# KiCad board RUST_Motherboard.pro.kicad_pcb (continued)
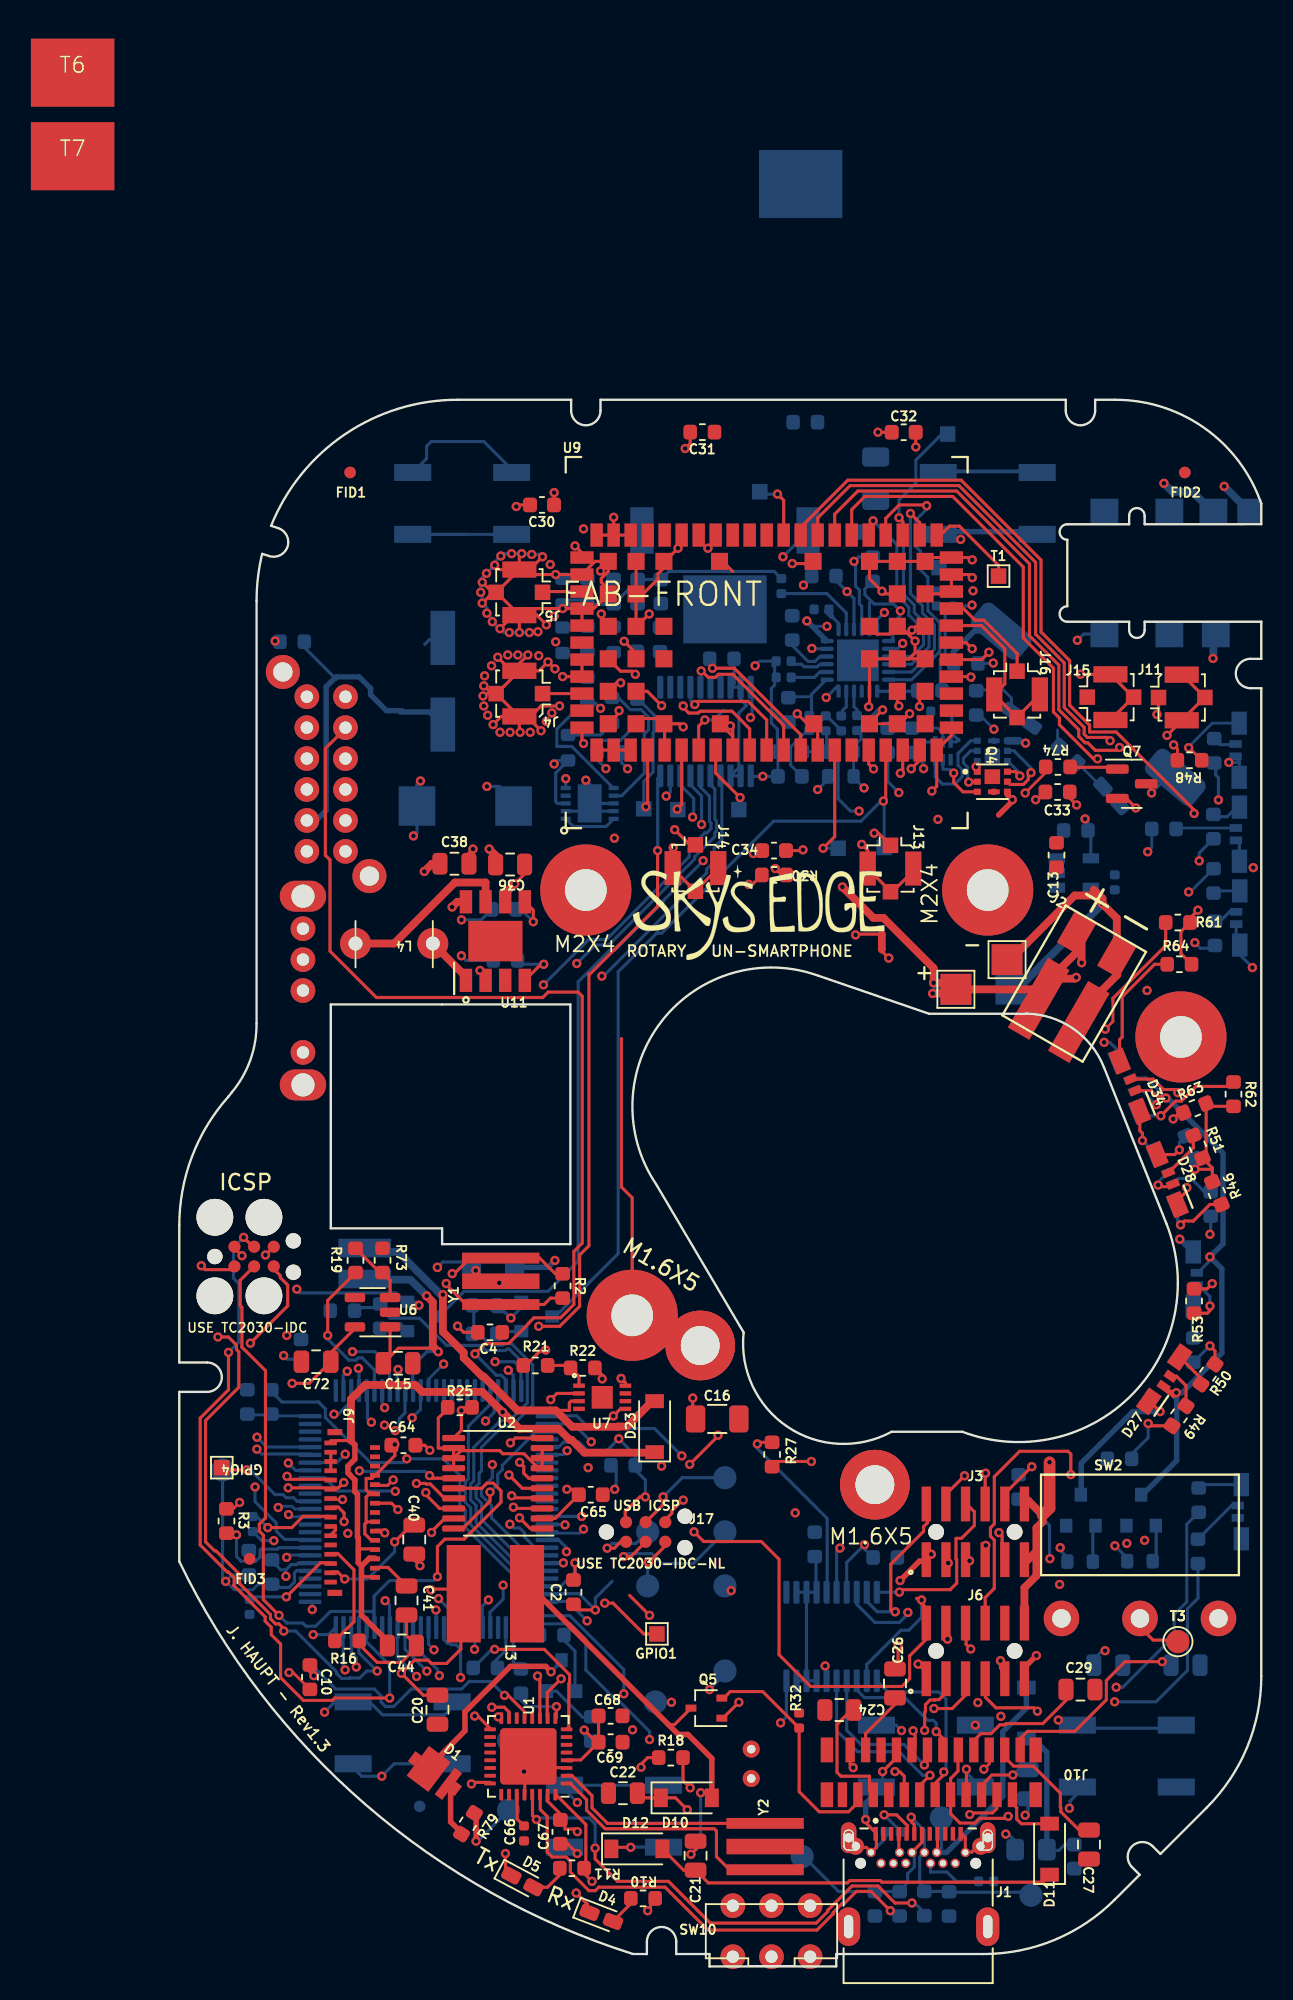
[diagram p0: board, top side]
## Routing (per net, layer and track width the routed paths; a pad name or vN(x,y) marks a point on that pad's centre or on a via; arc(x,y) is an arc through that point) (continued)
  L1_GND+GNDA.Cu w0.2: v1(63.59,19.71) 61.19,19.71 59.98,18.49 59.98,17.24 57.94,15.2 54.87,15.2 54.35,14.67
/EPAPER DRIVER/VGH: length 8
  L1_GND+GNDA.Cu w0.2: 44.9,11.15 44.65,11.4 44.65,12.3 42.8,12.3 42.55,12.55 42.55,15.65 43.55,16.65
/EPAPER DRIVER/VGL: length 4
  L1_GND+GNDA.Cu w0.2: 46.3,17.3 46.3,16.95 44.4,15.05 44.4,14.05
/EPAPER DRIVER/VPP: length 3.4
  L1_GND+GNDA.Cu w0.2: 51.9,11.7 52.58,12.38 v1(53.93,12.38)
  L6_GND.Cu w0.2: 54.9,12.7 54.25,12.7 v1(53.93,12.38)
/EPAPER DRIVER/VSH: length 14
  L1_GND+GNDA.Cu w0.18: J10.20 52.4,13.1 v1(52.05,12.75)
  L5_3v8.Cu w0.18: v1(59.89,20.42) 58.67,20.42 52.05,13.8 v1(52.05,12.75)
  L6_GND.Cu w0.18: v1(59.89,20.42) 59.71,20.42 59.16,19.87
/EPAPER DRIVER/VSL: length 8.2
  L1_GND+GNDA.Cu w0.2: 53.33,13.6 53.98,12.95 55.25,12.95 57,11.2 57,10.3 57.03,10.26 57.03,10 58.21,8.82 C27.1
/EPD_BUSY: length 48.4
  L1_GND+GNDA.Cu w0.18: v1(46.3,12.6) 46.6,12.6
  L1_GND+GNDA.Cu w0.2: 46.9,11.15 46.9,12.3 46.6,12.6
  L3_3v8+GNDA.Cu w0.2: v1(28.76,17.63) 30.5,15.88 30.57,15.95 31.03,15.95 32.58,14.4 34.6,14.4 35.9,13.1 40.09,13.1 41.5,11.7 45.87,11.7 46.55,12.37 46.55,12.6
  L6_GND.Cu w0.2: v1(28.76,17.63) 28.76,19.19 25.27,22.68 23.32,22.68 22.75,23.25 22.75,24.67 18.85,28.56 18.85,29.66 18.5,30.01 18.5,31.33 18.7,31.53 18.7,34.93 20.1,36.33 20.1,37.3
/EPD_CS: length 36.7
  L3_3v8+GNDA.Cu w0.2: v1(20.43,39.1) 22.77,39.1 23.31,38.56 23.39,38.56 24.9,37.05 29.74,37.05 38.66,28.13 42.48,28.13 42.64,27.97 43.63,27.97 v1(44.33,27.27)
  L6_GND.Cu w0.2: R26.2 44.33,26.99 v1(44.33,27.27) 43.17,26.11 U8.17 ; v1(20.43,39.1) 21.67,39.1 22.1,38.67 22.1,37.25
/EPD_DC: length 30.8
  L3_3v8+GNDA.Cu w0.2: v1(21.28,38.55) 21.94,37.89 23.57,37.89 24.75,36.7 29.6,36.7 38.52,27.78 42.34,27.78 42.69,27.43 42.69,27.1 v1(42.74,27.05)
  L6_GND.Cu w0.2: U8.16 42.52,26.84 v1(42.74,27.05) ; v1(21.28,38.55) 21.6,38.23 21.6,37.25
/EPD_RESET: length 35
  L1_GND+GNDA.Cu w0.2: v1(37.4,33.79) 37.5,33.89 R27.2
  L2_3v3+GNDA.Cu w0.2: v1(37.4,33.79) 37.4,34.1 37.92,34.62 37.23,35.32 35.08,35.32 34.59,34.83 24.43,34.83 24.07,34.47 20.61,34.47 v1(19.81,35.27)
  L6_GND.Cu w0.2: 41.92,24.23 41.92,28.96 37.4,33.48 v1(37.4,33.79) ; 20.6,37.4 20.6,36.34 20.37,36.1 20.37,35.82 v1(19.81,35.27)
/GPIO1: length 14.3
  L1_GND+GNDA.Cu w0.2: GPIO1.1 30.05,21.5 28.06,23.49 v1(27.52,23.49)
  L5_3v8.Cu w0.2: v1(27.52,23.49) 27.31,23.7 21.9,23.7 v1(20.95,24.65)
  L6_GND.Cu w0.2: v1(20.95,24.65) 20.95,23.75 20.1,22.9 20.1,21.95
/GPIO4: length 6.4
  L1_GND+GNDA.Cu w0.2: v1(4.36,32.11) 2.89,32.11
  L6_GND.Cu w0.2: v1(4.36,32.11) 4.59,32.11 6.19,30.51 6.71,30.51 6.91,30.3 7.39,30.3 7.62,30.07 U4.39
/LED_1A: length 65.7
  L2_3v3+GNDA.Cu w0.2: v1(60.51,17.11) 59.6,18.02 36.86,18.02 36.33,18.55 27.94,18.55 24.94,15.55 21.85,15.55 21.19,14.89 18.56,14.89 15.35,18.09 v1(15.35,18.75)
  L6_GND.Cu w0.2: v1(15.35,18.75) 14.1,20 14.1,21.95 ; R59.2 65.9,23.81 65.22,23.13 65.22,19.14 63.19,17.11 v1(60.51,17.11)
/LED_1R: length 66.1
  L2_3v3+GNDA.Cu w0.2: v1(16.02,19.09) 15.9,18.98 15.9,18.04 18.7,15.24 21.04,15.24 21.7,15.9 24.8,15.9 27.8,18.9 36.48,18.9 37.01,18.37 60.29,18.37 v1(60.61,18.05)
  L6_GND.Cu w0.2: R60.2 65.18,28.59 65.18,23.58 64.37,22.77 64.37,21.38 61.04,18.05 v1(60.61,18.05) ; 14.6,21.95 14.6,20.51 v1(16.02,19.09)
/LED_2A: length 109.6
  L2_3v3+GNDA.Cu w0.2: v1(67.23,75.42) 68.13,74.52 68.13,64.12 69.05,63.2 69.05,31.38 56.42,18.75 37.56,18.75 37.05,19.26 26.14,19.26 24.93,18.05 21.72,18.05 21.65,18.12 17.5,18.12 v1(16.83,18.8)
  L6_GND.Cu w0.2: 15.1,21.95 15.1,20.8 16.71,19.19 16.71,18.92 v1(16.83,18.8) ; 67.05,77.85 67.05,77.05 67.23,76.88 v1(67.23,75.42)
/LED_2R: length 105.6
  L1_GND+GNDA.Cu w0.18: R48.2 64.57,78.74 v1(64.33,78.98)
  L5_3v8.Cu w0.18: v1(16.48,20.47) 16.42,20.47 16.42,21 20.65,25.22 43.9,25.22 47.67,29 51.73,29 52.58,29.85 61.05,29.85 68.59,37.39 68.59,61.47 64.33,65.74 v1(64.33,78.98)
  L6_GND.Cu w0.18: U4.13 16.12,20.82 v1(16.48,20.47)
/LED_3A: length 96.8
  L5_3v8.Cu w0.18: v1(62.65,72.07) 62.65,66.95 68.26,61.34 68.26,38.31 60.13,30.18 52.44,30.18 51.59,29.33 47.54,29.33 43.76,25.55 20.44,25.55 17.93,23.05 v1(16.6,23.05)
  L6_GND.Cu w0.18: U4.12 16.62,23.03 v1(16.6,23.05) ; v1(62.65,72.07) 62.91,72.34 R55.2
/LED_3R: length 109.1
  L3_3v8+GNDA.Cu w0.2: v1(65.98,71.48) 67.1,70.37 67.1,64.22 67.7,63.62 67.7,38.12 57.97,28.39 56.81,28.39 52.38,23.95 49.29,23.95 48.96,24.29 48.76,24.29 47.52,25.52 44.13,25.52 44.03,25.42 42.73,25.42 42.63,25.52 34.95,25.52 34.44,25.01 30.11,25.01 30.08,25.04 29.93,25.04 29.91,25.06 29.81,25.06 29.73,25.14 27.96,25.14 25.97,27.12 25.52,27.12 23.7,28.94 23.7,32.49 21.54,34.65 15.11,34.65 14.18,35.58 13.33,35.58 13.3,35.55 12.84,35.55 12.52,35.87 12.52,36.16 10.86,37.81 v1(10.86,38.48)
  L6_GND.Cu w0.2: v1(10.86,38.48) 10.6,38.22 10.6,37.25 ; R56.2 65.98,72 v1(65.98,71.48)
/LED_4A: length 98
  L2_3v3+GNDA.Cu w0.2: v1(13.97,30.72) 14.61,30.09 20.3,30.09 21.43,31.23 21.56,31.23 21.73,31.4 33.31,31.4 36.71,28 46.33,28 49.04,30.71 62.99,30.71 67.86,35.58 67.86,51.52 66.6,52.78 66.6,65.3 v1(65.7,66.2)
  L6_GND.Cu w0.2: v1(13.97,30.72) 13.96,30.74 10.26,30.74 9.4,31.6 8.45,31.6 ; v1(65.7,66.2) 66.07,65.83 66.87,65.83
/LED_4R: length 86.3
  L3_3v8+GNDA.Cu w0.18: v1(65.3,69.47) 65.3,67.41 66.76,65.94 66.76,63.86 67.36,63.25 67.36,38.26 57.83,28.72 56.58,28.72 52.48,24.62 48.9,24.62 47.51,26.01 46.49,26.01 46.34,25.86 43.99,25.86 43.89,25.76 42.87,25.76 42.77,25.86 39.46,25.86 39.31,26.01 34.96,26.01 34.42,25.47 28.1,25.47 26.15,27.42 v1(26.15,28.27)
  L6_GND.Cu w0.18: R58.2 65.41,69.47 v1(65.3,69.47) ; U4.91 23.85,28.01 25.89,28.01 v1(26.15,28.27)
/LED_5A: length 39.8
  L2_3v3+GNDA.Cu w0.2: v1(24.95,28.55) 27.99,25.52 58.84,25.52 v1(60.52,27.2)
  L6_GND.Cu w0.2: 61.33,26.4 v1(60.52,27.2) ; v1(24.95,28.55) 24.93,28.57 U4.90
/LED_5R: length 36.2
  L2_3v3+GNDA.Cu w0.2: v1(56.99,27.08) 56,27.08 55.54,26.62 52.03,26.62 51.98,26.67 51.95,26.67 51.37,27.25 47.15,27.25 46,26.1 32.49,26.1 29.5,29.09 v1(26.04,29.09)
  L6_GND.Cu w0.2: v1(56.99,27.08) 56.99,26.91 57.45,26.45 ; 23.75,29.1 26.03,29.1 v1(26.04,29.09)
/LED_BELL: length 1.4
  L6_GND.Cu w0.2: 22.1,21.95 23.05,21.95 23.4,21.6
/LED_FILAMENT: length 84
  L1_GND+GNDA.Cu w0.18: 56.05,77.2 v1(54.73,75.88)
  L2_3v3+GNDA.Cu w0.18: v1(6.4,29.67) 6.4,29 6.72,28.67 7.5,28.67 8.65,29.82 8.65,30.33 8.65,31.8 10.9,34.05 10.9,36.26 16.79,42.15 20.52,42.15 22.15,43.77 25.37,43.77 28.27,46.67 28.27,61.3 35.05,68.07 44.21,68.07 52.29,76.15 54.45,76.15 v1(54.73,75.88)
  L6_GND.Cu w0.18: U4.38 7.47,29.57 7.29,29.75 6.48,29.75 v1(6.4,29.67)
/LED_STAT: length 83.7
  L2_3v3+GNDA.Cu w0.18: 56.82,79.96 55.42,78.56 54.23,78.56 44.12,68.45 34.85,68.45 27.35,60.95 27.35,46.21 25.24,44.1 22.01,44.1 20.39,42.48 16.65,42.48 10.57,36.4 10.57,34.19 8.32,31.95 8.32,30.47 v1(7.07,29.21)
  L6_GND.Cu w0.18: U4.37 7.21,29.07 v1(7.07,29.21) ; 56.91,79.35 56.82,79.44 56.82,79.96
/MCURX-TO-FTDITX: length 2.8
  L6_GND.Cu w0.2: 21.6,21.9 21.6,19.7 22.05,19.25
/MCUTX-TO-FTDIRX: length 2.7
  L6_GND.Cu w0.2: 20.29,19.6 21.12,20.44 U4.3
/MISO: length 97.3
  L1_GND+GNDA.Cu w0.2: v1(51.12,26.23) 51.12,26.23 50.96,26.06 ; J7.1 3.36,45.05 1.67,45.05 v1(1.42,45.31) ; 2.3,26.85 1.7,27.45 1.7,35.3 3.85,37.45 3.85,39.74 3.7,39.89 3.7,40.18 3.18,40.7 v1(2.5,40.7) ; 2.35,26.9 3.9,25.35 3.9,24.75 5.9,22.75 5.9,22.47 6.22,22.15 6.45,22.15 6.76,21.84 v1(6.76,21.69)
  L2_3v3+GNDA.Cu w0.2: 34.1,18.2 28.2,18.2 25.2,15.2 21.99,15.2 21.33,14.54 17.79,14.54 13.22,19.1 v1(12.8,19.1) ; 34.1,18.2 34.1,18.1 v1(34.3,17.9) ; 34.1,18.2 34.63,17.67 51.05,17.67 v1(51.66,17.06) ; v1(2.5,40.7) 3.9,42.1 3.9,44 2.85,45.05 1.67,45.05 v1(1.42,45.31)
  L5_3v8.Cu w0.2: v1(51.12,26.23) 51.75,25.6 51.75,17.15
  L6_GND.Cu w0.2: U4.22 11.62,20.28 v1(12.8,19.1) 12.13,19.1 11.68,18.65 11.05,18.65 11.05,18.65 11.03,18.65 11.02,18.64 11.01,18.64 11,18.63 10.98,18.63 10.98,18.63 10.96,18.63 10.95,18.62 10.5,18.62 10.18,18.94 10.18,19.04 7.53,21.69 v1(6.76,21.69) ; 35.3,18.9 v1(34.3,17.9)
/MOSI: length 124.8
  L1_GND+GNDA.Cu w0.2: 49.59,30.52 v1(50.8,31.72) ; 4.77,46.53 v1(4.16,47.14) ; v1(3.18,39.7) 3.18,37.28 1.35,35.45 1.35,27.25 3.1,25.5 3.18,25.5 3.55,25.13 3.55,24.67 3.52,24.64 5.55,22.6 5.55,22.33 5.95,21.93 5.95,21.45 6.55,20.85 6.55,18.67 8.03,17.2 9.9,17.2 10.06,17.36 v1(13.61,17.36) ; U2.15 16.36,31.56 v1(16.19,31.74)
  L2_3v3+GNDA.Cu w0.2: v1(31.84,17.08) 31.58,16.82 31.58,16.82 30.71,15.95 28.76,15.95 26.96,14.15 22.43,14.15 21.76,13.48 17.48,13.48 v1(13.61,17.36) 12,18.96 12,30.13 11.7,30.43 11.7,32 v1(11.65,32.05)
  L3_3v8+GNDA.Cu w0.2: v1(47.13,22.89) 41.87,17.63 35.97,17.63 35.65,17.31 35.65,17.29 35.44,17.08 v1(31.84,17.08)
  L4_GND.Cu w0.18: v1(50.8,31.72) 50.8,29.95 49.8,28.95 49.8,26.9 47.13,24.23 v1(47.13,22.89)
  L6_GND.Cu w0.2: v1(13.61,17.36) 13.61,19.49 12.1,21 12.1,21.95 ; U8.18 43.83,23.41 45,22.24 46.58,22.24 47.13,22.79 v1(47.13,22.89) ; 30.82,17.08 v1(31.84,17.08) ; v1(16.19,31.74) 15.92,32.01 11.69,32.01 v1(11.65,32.05) ; v1(3.18,39.7) 3.85,40.37 3.85,44.15 3.5,44.5 3.5,46.48 v1(4.16,47.14)
/NET_STAT: length 50.9
  L1_GND+GNDA.Cu w0.2: v1(36.84,69.96) 37.08,69.96 R30.2
  L4_GND.Cu w0.2: v1(25.05,26.82) 25.51,27.28 25.51,28.84 25.49,28.87 25.49,29.87 25.75,30.13 25.75,44.09 27.4,45.74 27.4,59.11 27.45,59.16 27.45,59.66 36.84,69.05 v1(36.84,69.96)
  L6_GND.Cu w0.2: v1(25.05,26.82) 25.05,27.07 24.5,27.62 23.83,27.62
/OFFSIGNAL: length 64.2
  L1_GND+GNDA.Cu w0.2: v1(19.13,39.61) 19.8,40.27 21.3,40.27 22.62,41.6 22.62,41.62 22.94,41.94 24.66,41.94 25.52,42.8 25.52,46.22 26.07,46.77 26.07,62.73 25.8,63 23.86,63 23.51,62.65 12.75,62.65 9.75,65.65 9.75,71.55 9.45,71.85 9.45,78.75 10.8,80.1
  L6_GND.Cu w0.2: v1(19.13,39.61) 20.51,38.22 20.83,38.22 21.1,37.95 21.1,37.25
/OLED DRIVER/OLED_CS_3V3: length 15
  L1_GND+GNDA.Cu w0.2: v1(10.66,28.76) 10.66,29.32 10.28,29.7 9.8,29.7 ; v1(22.01,29.01) 22.7,28.31 U2.1
  L3_3v8+GNDA.Cu w0.2: v1(22.01,29.01) 21.99,29.02 21.73,29.02 21.61,29.14 21.16,29.14 20.67,28.65 10.77,28.65 v1(10.66,28.76)
/OLED DRIVER/OLED_DC_3V3: length 14.4
  L1_GND+GNDA.Cu w0.18: 9.91,30.19 v1(10.56,30.19)
  L1_GND+GNDA.Cu w0.2: 23.44,30.3 21.64,30.3 v1(21.5,30.43)
  L3_3v8+GNDA.Cu w0.18: v1(10.56,30.19) 10.61,30.14 14.41,30.14 15.21,29.34 20.38,29.34 20.87,29.83 20.9,29.83 v1(21.5,30.43)
/OLED DRIVER/OLED_IREF: length 7
  L1_GND+GNDA.Cu w0.2: R16.1 11.3,22.29 11.3,25.65 10.25,26.7 9.8,26.7
/OLED DRIVER/OLED_MOSI_3V3: length 21.7
  L1_GND+GNDA.Cu w0.2: v1(6.97,31.69) 7.16,31.5 9.8,31.5 ; U2.6 22.61,31.56 22.29,31.89 22.29,32.33 v1(22.02,32.59)
  L3_3v8+GNDA.Cu w0.2: v1(6.97,31.69) 10.03,31.69 10.95,32.61 13.43,32.61 13.78,32.26 15.93,32.26 17.02,33.35 20.73,33.35 21.05,33.03 21.05,32.78 21.4,32.43 21.86,32.43 v1(22.02,32.59)
/OLED DRIVER/OLED_RES_3V3: length 11.5
  L1_GND+GNDA.Cu w0.2: U2.3 21.69,29.61 v1(21.61,29.69) ; J9.18 13.73,29.95 v1(14.14,29.54)
  L3_3v8+GNDA.Cu w0.2: v1(14.14,29.54) 14.53,29.54 15.07,29 20.52,29 21.01,29.49 21.12,29.49 21.32,29.69 v1(21.61,29.69)
/OLED DRIVER/OLED_SCL_3V3: length 13.3
  L1_GND+GNDA.Cu w0.2: U2.5 22.19,30.91 v1(21.33,31.78) ; 12.8,31.1 13.48,31.1 v1(13.84,31.46)
  L3_3v8+GNDA.Cu w0.2: v1(21.33,31.78) 21.33,31.12 20.33,30.12 19.93,30.12 19.49,29.68 15.98,29.68 13.97,31.7 13.76,31.7
/OLED DRIVER/OLED_VCOMH: length 2.5
  L1_GND+GNDA.Cu w0.2: 12.67,25.8 13.5,25.8 C41.1
/OLED DRIVER/OLED_VLOGIC: length 6
  L1_GND+GNDA.Cu w0.2: 9.8,26.1 9.13,26.1 v1(6.92,23.9)
  L6_GND.Cu w0.2: 4.71,23.9 v1(6.92,23.9)
/OLED DRIVER/OLED_VP: length 7.2
  L1_GND+GNDA.Cu w0.2: 9.8,25.5 10.25,25.5 v1(10.7,25.05) ; 15.02,28.54 v1(13.93,27.45)
  L6_GND.Cu w0.2: v1(10.7,25.05) 12.17,25.05 13.93,26.81 v1(13.93,27.45)
/OLED_CS: length 8.9
  L1_GND+GNDA.Cu w0.2: v1(20.1,30.67) 20.1,30.09 18.33,28.31
  L6_GND.Cu w0.2: U4.78 23.08,34.57 20.9,32.4 20.9,32.12 20.6,31.82 20.6,31.17 v1(20.1,30.67)
/OLED_DC: length 12.7
  L1_GND+GNDA.Cu w0.2: 17.17,30.27 16.24,31.19 15.96,31.19 15.92,31.23 v1(15.34,31.23)
  L5_3v8.Cu w0.2: v1(15.34,31.23) 15.34,31.32 11.59,35.07 v1(11.59,38.67)
  L6_GND.Cu w0.2: v1(11.59,38.67) 11.62,38.64 U4.54
/OLED_RES: length 12.7
  L1_GND+GNDA.Cu w0.2: U2.18 16.83,29.61 15.95,30.5 v1(15.95,30.64)
  L5_3v8.Cu w0.2: v1(10.01,35.71) 10.46,35.71 14.79,31.38 14.79,31 15.15,30.64 v1(15.95,30.64)
  L6_GND.Cu w0.2: 11.1,37.2 11.1,36.52 10.28,35.71 v1(10.01,35.71)
/POWSW4: length 84.8
  L1_GND+GNDA.Cu w0.2: v1(53.02,28.05) 53.23,27.84 53.23,26.47
  L3_3v8+GNDA.Cu w0.5: SW9.4 9.55,74.8 9.55,70.67 12.45,67.77 17.05,67.77 18.85,65.97 23.6,65.97 26.87,62.7 26.87,50.85 28.05,49.67 28.05,46.17 25.62,43.75 25.62,42.07 39.07,28.63 42.69,28.63 42.85,28.47 46.43,28.47 47.89,29.93 49.8,29.93 51.68,28.05 v1(53.02,28.05)
/RELAY_OFF: length 49.9
  L2_3v3+GNDA.Cu w0.2: v1(12.43,35.19) 12.3,35.32 12.2,35.32 12.2,30.42 13.84,28.78 19.34,28.78 24,24.11 29.76,24.11 29.83,24.05 34.25,24.05 35.3,25.1 43.76,25.1 45.76,23.1 45.76,22.53 46.81,21.48 49.39,21.48 v1(49.7,21.16)
  L6_GND.Cu w0.2: v1(12.43,35.19) 12.17,35.45 12.17,37.18 12.1,37.25
/RESET: length 49.1
  L1_GND+GNDA.Cu w0.18: C10.2 7.36,19 v1(7.1,19)
  L1_GND+GNDA.Cu w0.2: 6.11,45.09 6.53,44.67 6.53,44.53 7.01,44.06 7.01,42.71 v1(4.6,40.3)
  L2_3v3+GNDA.Cu w0.2: v1(3,24.9) 4.9,24.9 6.3,23.5 5.9,23.1 5.9,20.1 7,19 v1(7.1,19)
  L3_3v8+GNDA.Cu w0.2: v1(3,24.9) 2.7,25.2 2.7,29.43 3.2,29.93 3.2,38.9 v1(4.6,40.3)
  L6_GND.Cu w0.18: C1.1 3.41,25.31 v1(3,24.9) 3.55,24.35 4.75,24.35 5.11,24.71 R1.1
  L6_GND.Cu w0.2: v1(3,24.9) 2.8,25.1 RES1.1 ; 6,25 6.5,24.5 7.1,24.5 7.45,24.85 7.45,25.45 7.6,25.6 8.4,25.6
/RINGER+: length 58
  L1_GND+GNDA.Cu w0.2: U11.4 23.39,64.8 v1(23.57,64.8)
  L5_3v8.Cu w0.2: 23.5,64.73 22.22,63.45 10.33,63.45 8.58,61.7 8.15,61.7 6.15,59.7 6.15,51.85 9,49 9,38.31 9.2,38.1 9.2,35.15 10.68,33.67 10.96,33.67 11.29,33.35 11.29,32.89 10.94,32.55 v1(7.05,32.55)
  L6_GND.Cu w0.2: R23.1 22.14,64.8 v1(23.57,64.8) ; v1(7.05,32.55) 7.52,32.07 U4.43
/RINGER-: length 67.3
  L1_GND+GNDA.Cu w0.2: U11.5 22.9,68.29 v1(22.9,67.55)
  L5_3v8.Cu w0.2: v1(10.74,33.12) 8.85,35 8.85,37.96 7.4,36.51 7.4,32.98 7.28,33.1 6.82,33.1 6.7,32.98 6.7,36.8 7.06,37.16 7.07,37.15 7.53,37.15 7.85,37.47 7.85,37.93 7.84,37.94 8.15,38.25 8.15,44.53 8.18,44.55 8.18,45.21 8.15,45.24 8.15,46.56 8.18,46.59 8.18,47.25 8.15,47.27 8.15,49.35 5.8,51.71 5.8,59.84 8.01,62.05 8.43,62.05 9.05,62.67 9.05,63.09 10.11,64.15 18.92,64.15 19.22,63.85 19.68,63.85 22.9,67.07 v1(22.9,67.55)
  L6_GND.Cu w0.2: v1(22.9,67.55) 22.1,68.35 R24.1 ; U4.44 10.19,32.57 v1(10.74,33.12)
/SCK: length 91.9
  L1_GND+GNDA.Cu w0.2: v1(6.45,22.7) 5.44,23.71 5.44,27.89 5.18,28.15 5.18,28.6 5.58,29 5.58,38.52 4.2,39.9 ; v1(16.7,25.2) 16.7,27.15 17.18,27.63 18.43,27.63 20.81,30.01 20.81,30.75 20.31,31.25 19.9,31.25 19.56,30.91 U2.16 ; 4.2,39.89 4.05,40.04 4.05,42.61 3.94,42.72 3.94,44.36 J7.3 ; 50.8,30.03 51.44,29.39 51.44,28.51 50.61,27.68 50.27,27.68 50.24,27.66 50.24,26.36 50.29,26.31 50.29,24.78 49.88,24.36 46.74,24.36 v1(46.58,24.2)
  L3_3v8+GNDA.Cu w0.2: 35.62,24.92 35.62,24.38 v1(35.7,24.3) ; 35.62,24.92 44.03,24.92 44.75,24.2 v1(46.58,24.2) ; 35.62,24.92 34.85,24.92 34.59,24.66 29.96,24.66 29.94,24.69 29.79,24.69 29.76,24.71 29.66,24.71 29.59,24.79 27.81,24.79 27.73,24.87 25.36,24.87 25.31,24.92 25.31,24.92 25.3,24.92 21.88,24.92 21.6,25.2 v1(16.7,25.2)
  L6_GND.Cu w0.2: v1(6.45,22.7) 6.95,22.2 7.99,22.2 8.19,22 8.82,22 9.77,22.95 12.45,22.95 12.6,22.8 ; v1(16.7,25.2) 16.45,24.95 13.6,24.95 12.6,23.95 12.6,22.8 ; 12.6,22.8 12.6,22.1 ; 45.12,24.19 46.57,24.19 v1(46.58,24.2)
/SD_CD: length 32.5
  L3_3v8+GNDA.Cu w0.2: v1(52.18,27.22) 47.22,27.22 46.2,26.2 39.6,26.2 34.21,31.6 30.24,31.6 28.57,33.27 27.3,33.27 v1(26.65,33.92)
  L6_GND.Cu w0.2: U4.77 25.5,35.07 v1(26.65,33.92)
/SD_CS: length 36.3
  L1_GND+GNDA.Cu w0.2: v1(52.16,31.89) 52.14,31.86 52.14,29.9
  L4_GND.Cu w0.18: 49.62,31.85 49.62,32.25 49.95,32.57
  L4_GND.Cu w0.2: 49.62,31.85 49.65,31.83 49.65,31.05 46.74,28.15 43.18,28.15 38.32,33.01 32.51,33.01 v1(32.51,33.01) ; v1(52.16,31.89) 51.48,32.57 49.95,32.57
  L6_GND.Cu w0.2: v1(32.51,33.01) 30.74,34.78 26.53,34.78 25.71,35.6 23.8,35.6
/SIM_CLK: length 99.9
  L1_GND+GNDA.Cu w0.2: U9.38 43.5,94.2 44.35,95.05 50.04,95.05 54.6,90.49 54.6,85.9 56.55,83.95 56.55,81.12 56.94,80.73 56.94,80.29 59.14,78.08 v1(59.41,78.08) ; 52.14,22.44 52.14,23.85 52.73,24.44 52.73,27.57 52.48,27.82 52.48,28.35 52.73,28.6 52.73,31.67 54.37,33.31 57.49,33.31 57.67,33.12 v1(57.67,31.8)
  L2_3v3+GNDA.Cu w0.2: v1(59.41,78.08) 60.15,77.34 60.15,74.74 61.8,73.09 61.8,54.91 65.16,51.55 65.16,51.32 67.37,49.11 67.37,41.73 57.67,32.03 v1(57.67,31.8)
/SIM_IO: length 105.1
  L1_GND+GNDA.Cu w0.2: U9.39 42.4,93.9 43.9,95.4 50.29,95.4 55,90.69 55,86.04 56.9,84.14 56.9,81.26 58.19,79.97 58.19,79.53 58.6,79.12 58.77,79.12 59.26,78.64 60.65,78.64 v1(60.83,78.82) ; 53.4,19.01 53.13,19.29 v1(53.13,19.77)
  L2_3v3+GNDA.Cu w0.2: v1(61.3,27.35) 68.21,34.26 68.21,51.87 67.06,53.01 67.06,59.04 67.42,59.4 67.42,67.97 65.85,69.53 65.85,69.7 62.93,72.62 62.76,72.62 60.83,74.55 v1(60.83,78.82)
  L3_3v8+GNDA.Cu w0.2: v1(61.3,27.35) 61.28,27.33 61.28,24.1 60.4,23.22 60.4,22.2 57.25,19.05 53.84,19.05 v1(53.13,19.77)
/SIM_RST: length 110
  L1_GND+GNDA.Cu w0.2: v1(55.52,16.5) 55.3,16.72 52.83,16.72 52.15,17.4 52.15,18.3 ; v1(60.22,79.26) 60,79.47 58.75,79.47 58.54,79.68 58.54,80.12 57.25,81.41 57.25,84.29 55.4,86.14 55.4,90.79 50.44,95.75 43.39,95.75 41.3,93.66 U9.40
  L2_3v3+GNDA.Cu w0.2: v1(60.22,79.26) 60.33,79.37 61.06,79.37 61.38,79.05 61.38,75.12 61.21,74.95 61.21,74.67 61.51,74.37 61.76,74.37 62.5,73.64 62.5,73.38 62.9,72.97 63.07,72.97 66.2,69.85 66.2,69.68 67.77,68.11 67.77,59.25 67.46,58.94 67.46,53.24 68.56,52.14 68.56,33.48 62.62,27.55 v1(62.45,27.55)
  L3_3v8+GNDA.Cu w0.2: v1(62.45,27.55) 62.45,24.78 60.75,23.08 60.75,22.05 55.52,16.82 v1(55.52,16.5)
/SW_Alpha: length 60.5
  L2_3v3+GNDA.Cu w0.2: v1(56.87,15.93) 56.49,15.55 52.93,15.55 52.35,16.13 51.75,16.13 51.73,16.15 51.27,16.15 51.25,16.13 48.59,16.13 48.27,16.45 48.27,16.47 47.18,16.47 46.86,16.15 46.82,16.15 44.79,14.12 41.51,14.12 40.58,13.19 32,13.19 31.58,13.61 22.39,13.61 21.91,13.13 17.02,13.13 12.21,17.94 12.1,17.94 11.81,18.23 11.81,18.66 11.65,18.82 11.65,19.16 v1(11.45,19.36)
  L6_GND.Cu w0.2: U4.23 11.12,20.28 11.45,19.95 v1(11.45,19.36) ; v1(56.87,15.93) 57.2,15.6 ; 64.5,15.4 57.9,15.4
/SW_Beta: length 55
  L2_3v3+GNDA.Cu w0.2: v1(8.66,21.45) 8.66,20.39 19,10.05 29.67,10.05 29.69,10.03 30.77,10.03 30.77,10.05 32.82,12.1 33.64,12.1 34.59,11.15 39.04,11.15 41.64,13.75 44.91,13.75 46.42,15.25 v1(46.72,15.25) 46.72,15.28 47.25,15.81 48.42,15.81 48.45,15.78 49.06,15.78 49.09,15.75 50.38,15.75 50.69,15.44 51.34,15.44 v1(51.5,15.6)
  L6_GND.Cu w0.2: v1(46.72,15.25) 46.37,15.6 SW6.1 ; v1(8.66,21.45) 9.65,21.45 10.1,21.9
/SW_CLEAR: length 78.1
  L5_3v8.Cu w0.18: v1(17.1,38.95) 17.55,38.5 18.9,38.5 25.5,45.09 25.5,59.25 32.71,66.46 32.71,74.04 32.66,74.09 32.66,74.54 32.8,74.67 32.8,75.5 49.57,92.27 v1(50.55,92.27)
  L6_GND.Cu w0.18: v1(17.1,38.95) 16.12,37.97 U4.63 ; 50.08,92.6 50.4,92.27 v1(50.55,92.27)
  L6_GND.Cu w0.35: 49.24,92.77 55.13,92.77
/SW_Fn: length 16
  L3_3v8+GNDA.Cu w0.2: v1(8.6,23.07) 9.4,22.28 v1(9.4,16.44)
  L6_GND.Cu w0.2: SW8.1 10.06,17.1 v1(9.4,16.44) ; 12.31,17.1 13.14,16.27 17.17,16.27 18,17.1 ; 8.5,23.6 8.6,23.5 v1(8.6,23.07)
/SW_HALL: length 68
  L1_GND+GNDA.Cu w0.2: 28.6,60 28.6,50.4 29.3,49.7 MH3.1
  L4_GND.Cu w0.18: MH3.1 29.3,30.6 28.05,29.35 27.3,29.35 26.85,28.9 26.85,26.22 21.87,21.25 19.85,21.25 v1(19.1,20.5)
  L4_GND.Cu w0.2: v1(62.61,63.11) 53.59,63.11 52.3,64.4 46.5,64.4 46.2,64.1
  L5_3v8.Cu w0.2: MH8.1 62.61,62.29 v1(62.61,63.11)
  L6_GND.Cu w0.18: U4.7 19.12,20.53 v1(19.1,20.5)
/SW_HOOK: length 10.5
  L6_GND.Cu w0.18: SW7.1 18.5,92.6
  L6_GND.Cu w0.2: 14.6,92.6 21.7,92.6
/SW_Lambda: length 29.6
  L2_3v3+GNDA.Cu w0.2: v1(25.75,10.6) 18.94,10.6 10.73,18.82 v1(10.73,19.17)
  L6_GND.Cu w0.2: v1(10.73,19.17) 10.6,19.3 10.6,21.95 ; 24.73,11.71 31.61,11.71 ; 24.95,11.4 v1(25.75,10.6)
/SW_MODE1: length 35
  L4_GND.Cu w0.2: v1(11.2,39.75) 11.2,40.1 8.4,42.9 8.4,48.99 5.65,51.73 5.65,64.75 SW1.4
  L6_GND.Cu w0.2: v1(11.2,39.75) 12.65,39.75 13.6,38.8 13.6,37.23
/SW_MODE2: length 32
  L4_GND.Cu w0.2: v1(14.15,38.6) 8.75,44 8.75,49.13 6,51.88 6,62.7 8.4,65.1
  L6_GND.Cu w0.2: 14.1,37.49 14.1,38.55 v1(14.15,38.6)
/SW_MODE3: length 34.9
  L3_3v8+GNDA.Cu w0.2: 8.4,59.1 7.27,59.1 6,57.83 6,51 8.3,48.7 8.3,36.4 10.25,34.45 13.78,34.45 v1(13.97,34.64)
  L6_GND.Cu w0.2: 14.6,37.25 14.6,35.79 14.23,35.42 14.23,34.69 14.18,34.64 v1(13.97,34.64)
/SW_ROTARY: length 59.5
  L1_GND+GNDA.Cu w0.2: 64.8,21.1 63,21.1 62.2,21.9
  L2_3v3+GNDA.Cu w0.2: 62.25,22.35 62.25,17.92 60.89,16.56 56.23,16.56 55.74,17.05 52.77,17.05 52.21,16.5 51.39,16.5 50.64,17.25 46.75,17.25 46.03,16.53 31.79,16.53 30.81,15.55 29.57,15.55 v1(29.32,15.3)
  L5_3v8.Cu w0.2: v1(20,23.7) 20,23.6 19.8,23.4 19.8,21.89 22.6,19.09 22.6,17.25 23.95,15.9 28.72,15.9 v1(29.32,15.3)
  L6_GND.Cu w0.2: 19.6,21.95 19.6,23.3 v1(20,23.7)
/USB PORT AND BRIDGE/16U2_MISO: length 20.2
  L1_GND+GNDA.Cu w0.2: v1(27.68,27.04) 28.14,27.04 28.56,27.46 J17.1 ; 20.15,15.35 19.36,16.14 19.1,16.14
  L4_GND.Cu w0.2: v1(27.68,27.04) 27.68,25.98 19.11,17.41 v1(19.11,16.19)
  L6_GND.Cu w0.2: v1(27.68,27.04) 27.99,27.35 29.55,27.35 16MISO1.1
/USB PORT AND BRIDGE/16U2_MOSI: length 26.6
  L1_GND+GNDA.Cu w0.2: v1(20.63,16.14) 20.69,16.07 20.85,16.07 ; J17.4 31.3,29.85 v1(31.3,30.36)
  L4_GND.Cu w0.2: v1(20.63,16.14) 20.06,16.14 19.66,16.53 19.66,17.46 28.19,25.98 28.19,26.73 28.2,26.73 28.2,26.85 31.3,29.96 v1(31.3,30.36)
  L6_GND.Cu w0.2: 16MOSI1.1 32.54,31.6 v1(31.3,30.36)
/USB PORT AND BRIDGE/16U2_RESET: length 30.9
  L1_GND+GNDA.Cu w0.2: v1(18.9,11.8) 19,11.9 20.12,11.9 ; 31.44,27.2 30.38,26.14 v1(30.34,26.14) ; v1(29.87,12.87) 29.87,12.93 29.8,13 30.3,13.5 R18.1
  L2_3v3+GNDA.Cu w0.2: v1(29.87,12.87) 28.82,11.82 18.92,11.82 v1(18.9,11.8)
  L4_GND.Cu w0.2: v1(29.87,12.87) 29.87,25.54 30.01,25.54 30.34,25.88 v1(30.34,26.14)
  L6_GND.Cu w0.2: 16RES1.1 30.3,26.1 v1(30.34,26.14)
/USB PORT AND BRIDGE/16U2_SCK: length 24.5
  L1_GND+GNDA.Cu w0.2: J17.3 29.21,26.5 v1(28.74,26.5) ; v1(20.21,16.76) 21.02,16.76 21.33,16.46 21.33,16.07
  L4_GND.Cu w0.2: v1(20.21,16.76) 20.49,17.04 20.49,17.79 28.74,26.04 v1(28.74,26.5)
  L6_GND.Cu w0.2: v1(28.74,26.5) 28.93,26.69 30.57,26.69 31.21,26.05 33.25,26.05 16SCK1.1
/USB PORT AND BRIDGE/FTDI-RESET: length 18.6
  L1_GND+GNDA.Cu w0.2: C10.1 8.45,19.05 v1(8.7,18.8) ; 22.35,16.07 22.35,16.45 21.27,17.53 v1(21.04,17.53)
  L6_GND.Cu w0.2: v1(8.7,18.8) 8.55,18.95 8.55,19.5 10.11,17.94 12.61,17.94 13.06,17.49 13.06,17.09 13.34,16.81 13.87,16.81 15.01,17.94 18.26,17.94 18.75,18.42 20.14,18.42 v1(21.04,17.53)
/USB PORT AND BRIDGE/FTDI-RX: length 10.6
  L1_GND+GNDA.Cu w0.2: 25.08,15.35 25.2,15.47 25.2,18.29 25.25,18.34 25.25,18.86 23.61,20.5 v1(20.4,20.5)
  L6_GND.Cu w0.2: 19.31,19.6 20.21,20.5 v1(20.4,20.5)
/USB PORT AND BRIDGE/FTDI-TX: length 3.6
  L1_GND+GNDA.Cu w0.2: 24.4,16.07 v1(24.4,16.8)
  L6_GND.Cu w0.2: v1(24.4,16.8) 22.52,16.8 22.1,17.22 R8.1
/VSIM: length 105.9
  L1_GND+GNDA.Cu w0.2: v1(65.65,74.55) 65.65,74.78 60.61,79.82 58.89,79.82 58.89,80.26 57.6,81.55 57.6,84.43 55.75,86.28 55.75,90.93 50.58,96.1 43.25,96.1 40.2,93.05 ; v1(51.2,20.53) 50.9,20.82 50.9,23.03
  L3_3v8+GNDA.Cu w0.2: v1(51.2,20.53) 51.31,20.53 68.55,37.77 68.55,63.97 68.3,64.22 68.3,64.25 68.28,64.27 68.28,64.63 68.3,64.65 68.3,64.85 68.2,64.85 67.95,65.1 67.95,65.45 68.3,65.8 68.3,67.7 68.23,67.77 68.23,68.13 68.24,68.14 68.2,68.17 68.2,70.75 65.65,73.3 v1(65.65,74.55)
LL_OE: length 129.3
  L1_GND+GNDA.Cu w0.2: v1(21.42,33.85) 21.73,34.16 U2.10 ; 50.86,18.36 50.86,17.54 50,16.68 v1(48.82,16.68)
  L2_3v3+GNDA.Cu w0.2: v1(48.82,16.68) 48.62,16.88 46.87,16.88 46.17,16.18 38.82,16.18 ; v1(30.42,14.67) 31.93,16.18 38.82,16.18 ; v1(38.9,15.75) 38.82,15.83 38.82,16.18
  L3_3v8+GNDA.Cu w0.2: v1(21.42,33.85) 21.35,33.92 15.98,33.92 15.82,33.76 15.66,33.76 v1(14.72,32.82)
  L4_GND.Cu w0.2: v1(36.95,80.75) 36.95,72.76 36.25,72.06 36.25,68.96 26.92,59.62 26.92,45.92 22.7,41.7 22.7,35.13 v1(21.42,33.85)
  L6_GND.Cu w0.2: v1(36.95,80.75) 37.05,80.85 37.05,82.63 36.96,82.71 ; U8.10 39.27,16.12 v1(38.9,15.75) ; 14.4,32.6 14.5,32.6 v1(14.72,32.82) 17.08,32.82 18.29,31.61 18.15,31.48 18.15,29.86 18.5,29.51 18.5,28.39 22.4,24.49 22.4,23.11 23.35,22.15 25.3,22.15 26.3,21.15 26.3,19.16 28.26,17.2 28.41,17.2 30.42,15.19 v1(30.42,14.67) ; 14.44,32.58 12.36,32.58 9.45,35.49 9.45,36.05 9,36.5 6.64,36.5 5.9,37.24
Net-(C8-Pad1): length 11.3
  L1_GND+GNDA.Cu w0.2: 47.42,7.4 48.05,8.03 48.05,8.6
  L6_GND.Cu w0.2: 47.55,7.24 47.55,6.43 47.12,6 47.12,5.42 46.6,4.9 ; 40.35,7.15 42.66,4.84 C8.1 ; R7.2 45.06,4.84
Net-(C9-Pad1): length 13.6
  L1_GND+GNDA.Cu w0.2: 47.55,8.6 47.55,9.16 47.35,9.36 v1(47.35,9.65)
  L6_GND.Cu w0.2: 48.2,7.4 48.2,8.8 v1(47.35,9.65) ; 48.2,7.38 47.9,7.08 47.9,5.4 48.4,4.9 ; 48.05,4.55 48.1,4.5 48.1,4.55 ; 55.1,4.8 49.83,4.8 ; R6.2 49.85,4.85 ; 48.23,4.53 48.2,4.5
Net-(C14-Pad1): length 21.7
  L6_GND.Cu w0.2: 10.15,83.23 7.75,85.63
  L6_GND.Cu w0.35: 14.3,81.11 16.19,81.11 16.9,80.4 ; 8.7,73.95 9.5,74.75 9.5,82.74 10.14,83.38 11.64,83.38 12.38,82.64 12.38,82.22 13.4,81.2 14.4,81.2
